# Altium PCB kunpeng_alpha.PcbDoc (part 2 of 2)
Units mm, origin at the board's own origin, x right, y up, seen from the top; angles counter-clockwise.
Board outline 84.46 x 100.59 mm, 2 copper layers (Top Layer, Bottom Layer); 103 components, 68 nets, 354 pads, 153 vias.
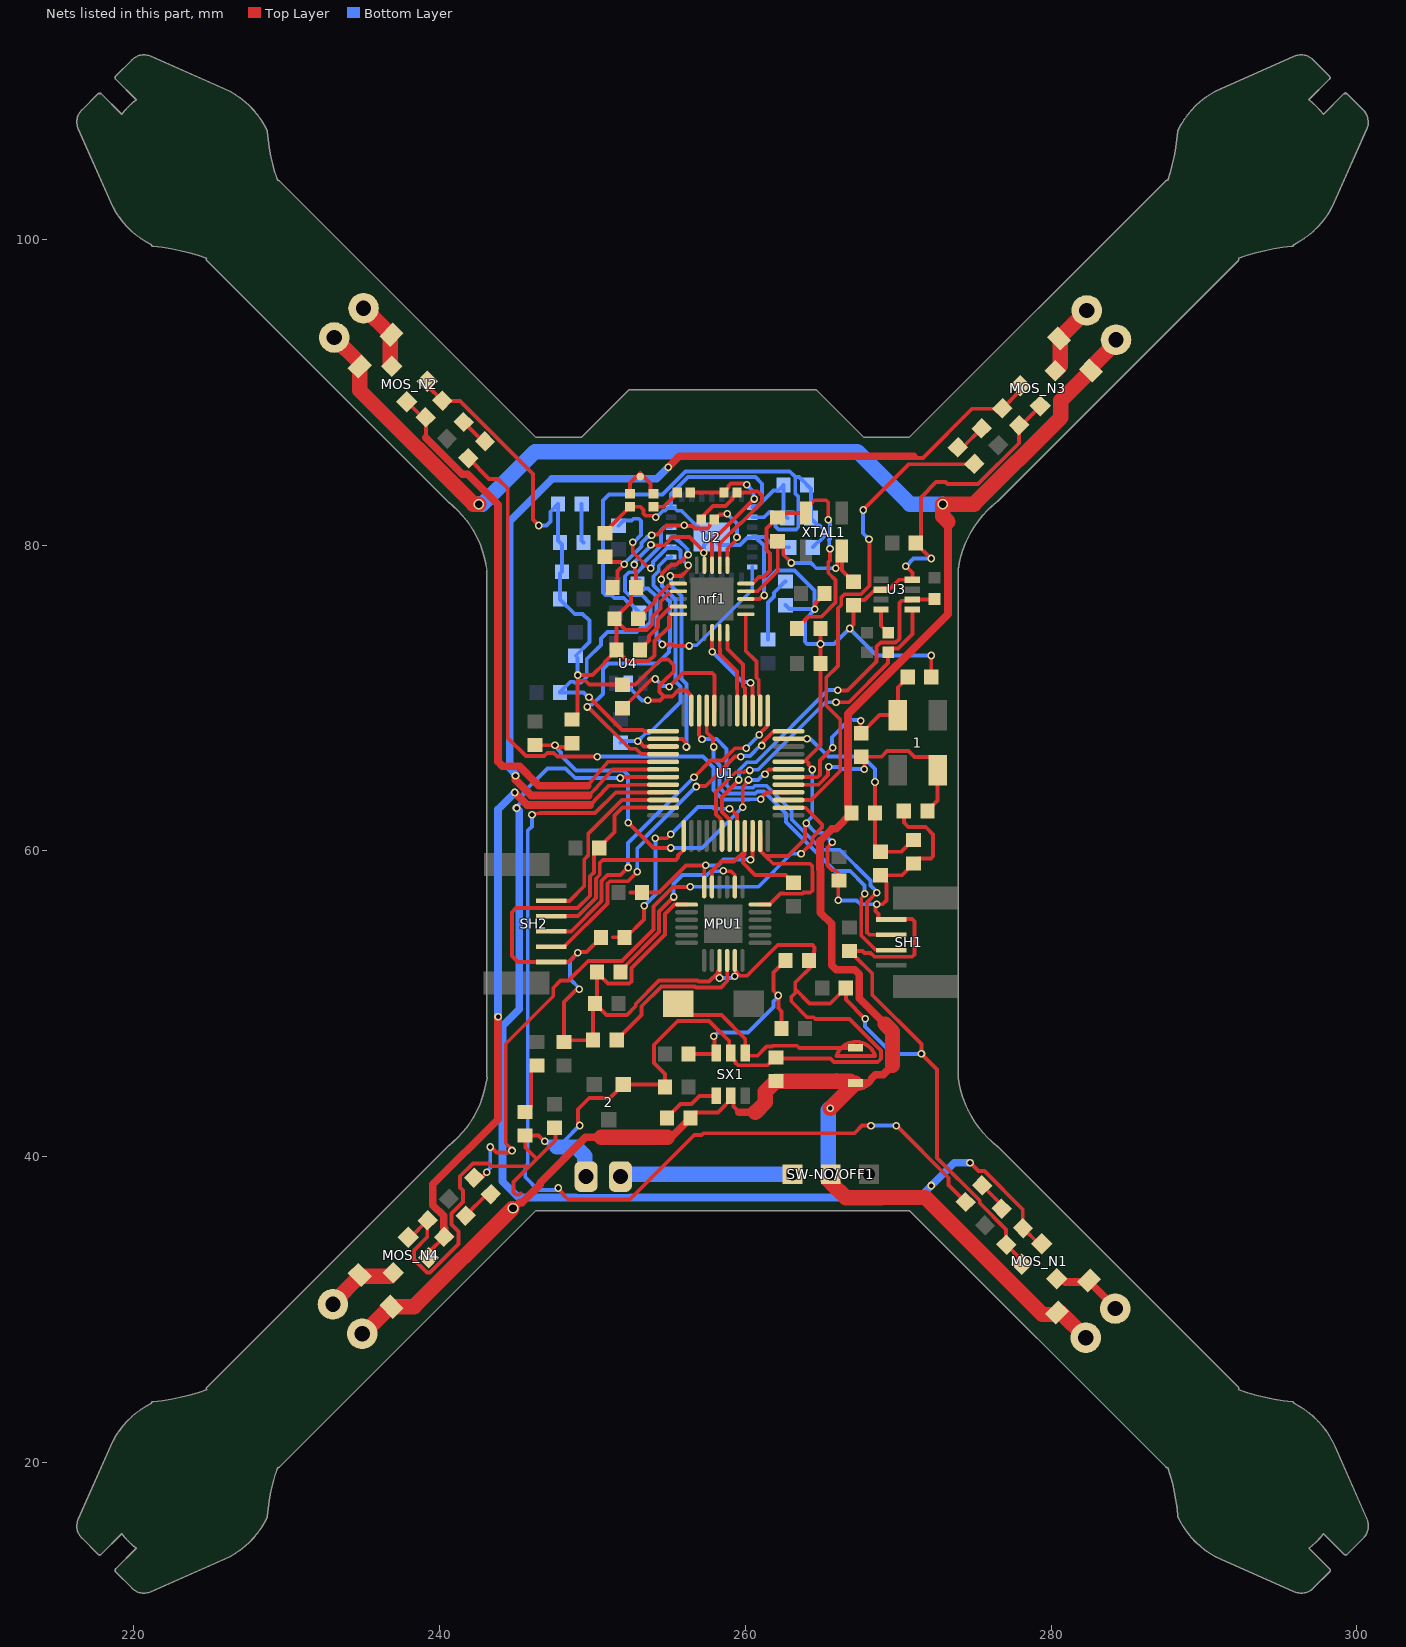
[diagram p2: the nets of this part, all layers, seen from the top]

## Via types
v1: diameter 0.5, hole 0.3, Top Layer to Bottom Layer, 146 vias
v2: diameter 0.66, hole 0.33, Top Layer to Bottom Layer, 4 vias
v3: diameter 0.7, hole 0.5, Top Layer to Bottom Layer, 3 vias

## Nets (pads, with @x,y where several pads share a name; then routed paths per layer and width w, separated by ;. In a path a pad name is that pad's centre, name@x,y a point inside that pad or via, vN(x,y) a via of type N, cw(c..) or ccw(c..) an arc to the next point about the centre after c; other vN are vias at no path point) (continued)
GND: 2.1 BAT1.2 C1.1 C2.1 C3.1 C4.2 C5.2 C6.1 C7.1 C9.1 C10.1 C11.1 C12.1 C13.1 C14.1 C15.1 C16.1 C17.2 C18.1 C19.1 C20.1 C21.1 C23.1 C24.1 C25.1 C26.1 C27.2 C28.2 C29.2 C30.1 C31.1 C32.1 C33.1 C34.1 D10.K LED1.2 MOS_N1.2 MOS_N2.2 MOS_N3.2 MOS_N4.2 MPU1.1 MPU1.9 MPU1.11 MPU1.18 nrf1.8 nrf1.14 nrf1.17 nrf1.20 R1.2 R3.1 R4.1 R5.1 R6.1 R7.1 R9.2 R11.2 R22.1 SH1.4 SH2.6 SX1.2 U1.8 U1.23 U1.35 U1.47 U2.1 U2.4 U2.21 U2.29 U3.1 U3.7 U4.2 | length 393.4
  Top Layer w0.254: MOS_N4.2@237.965,34.728 238.109,34.728 R6.1@239.214,35.833 ; MOS_N2.2@239.198,90.711 239.198,90.44 R3.1@240.193,89.444 240.211,89.427 241.353,89.427 246.126,84.654 246.126,81.661 v1(246.507,81.28) ; R6.1@239.232,35.85 R6.1@239.214,35.833 ; 245.297,37.6 245.215,37.519 245.005,37.519 244.856,37.667 244.856,38.354 246.369,39.867 ; 245.73,39.387 243.409,39.387 243.224,39.572 242.193,39.572 241.352,38.731 241.352,37.994 241.556,37.79 241.556,37.053 240.79,36.287 240.79,35.571 241.248,35.112 241.248,34.289 239.398,32.439 239.189,32.439 238.334,33.294 238.334,33.885 239.214,34.764 R6.1@239.214,35.833 ; v1(246.888,41.021) 246.862,41.021 246.489,41.394 D10.K@245.618,41.394 245.618,40.619 246.369,39.867 ; C24.1@247.777,41.902 247.585,41.71 247.585,41.083 246.369,39.867 ; C16.1@248.666,68.588 248.691,68.588 249.029,68.926 249.029,68.951 249.047,68.969 249.047,71.126 ; v1(249.151,50.956) 249.104,50.908 248.93,50.908 248.158,50.136 248.158,47.625 C23.1@248.158,47.506 248.277,47.625 C17.2@250.055,47.625 250.055,49.911 C20.1@250.182,50.038 ; v1(249.174,42.047) 249.057,42.164 249.057,43.11 249.805,43.859 251.148,43.859 2.1@252.019,44.729 254.602,44.729 C19.1@254.754,44.577 254.754,45.424 254.037,46.141 254.037,47.331 255.591,48.885 256.73,48.885 256.734,48.889 257.637,48.889 258.955,47.571 258.955,46.889 SX1.2@259.055,46.79 259.055,46.54 259.366,46.228 259.366,46.145 259.524,45.987 261.466,45.987 261.631,46.152 261.663,46.152 C18.1@262.001,46.49 262.364,46.426 265.584,46.426 265.806,46.204 265.962,46.204 ccw(c265.963,46.584) 265.965,46.204 268.501,46.204 ccw(c268.503,46.584) 268.505,46.204 268.661,46.204 268.771,46.314 ccw(c268.503,46.584) 268.773,46.316 268.883,46.426 268.883,46.961 266.827,49.016 264.597,49.016 264.484,49.129 264.053,49.129 263.01,50.172 263.01,50.439 263.277,50.706 263.277,50.973 ; C21.1@250.309,52.07 C21.1@250.309,52.045 ; R9.2@250.571,54.356 250.571,54.331 249.627,53.387 249.094,53.387 v1(249.047,53.34) 248.444,52.737 SH2.6@247.312,52.737 245.149,52.737 244.747,53.139 244.747,55.992 245.016,56.261 249.047,56.261 249.858,57.072 249.858,58.343 250.114,58.599 250.114,59.86 C30.1@250.452,60.198 250.452,60.223 251.465,61.236 251.465,62.311 251.986,62.831 U1.35@254.634,62.831 ; C11.1@250.825,80.78 250.85,80.78 251.188,81.118 251.188,81.218 252.278,82.308 252.278,82.333 252.451,82.506 253.155,82.506 253.363,82.298 253.363,82.064 253.512,81.915 v1@253.927,81.915 ; v1(252.742,78.728) 252.789,78.681 252.789,78.324 252.865,78.248 C10.1@252.865,77.216 252.527,76.878 252.527,76.284 251.452,75.209 R1.2@251.452,75.184 251.452,75.159 R1.2@251.579,75.032 ; v1(253.619,69.85) 254.421,69.85 254.681,70.11 ; v1(253.837,80.024) 253.87,79.992 254.72,79.992 255.246,80.518 256.369,80.518 v1@257.179,79.708 ; nrf1.20@255.632,75.479 255.189,75.479 255.016,75.307 255.016,74.653 254.081,73.718 254.081,73.602 254.07,73.592 254.07,72.791 253.689,72.41 252.296,72.41 C4.2@251.579,73.127 ; nrf1.17@255.632,76.979 255.19,76.979 255.067,76.857 255.029,76.857 254.481,76.308 254.481,75.844 253.924,75.288 253.924,74.804 253.562,74.442 252.169,74.442 R1.2@251.579,75.032 ; MPU1.1@256.172,56.495 256.167,56.49 255.372,56.49 254.753,55.871 254.753,54.544 252.566,52.357 252.566,51.475 252.419,51.328 251.026,51.328 C21.1@250.309,52.045 ; U1.23@256.484,69.181 256.484,70.094 256.386,70.191 256.386,70.248 256.15,70.484 255.603,70.484 255.229,70.11 254.681,70.11 ; v1(258.322,51.693) MPU1.9@258.322,52.228 ; MPU1.9@258.322,52.845 MPU1.9@258.322,52.228 ; MPU1.11@259.322,52.845 259.327,52.84 259.327,52.223 259.43,52.12 259.43,52.072 ; 259.512,51.99 259.659,51.843 260.123,51.843 262.128,53.848 264.39,53.848 264.539,53.699 264.539,53.482 264.506,53.449 264.506,53.195 264.422,53.111 264.422,52.553 263.277,51.408 263.277,50.973 ; nrf1.8@260.039,76.479 260.041,76.481 260.946,76.481 261.172,76.708 v1(261.239,76.708) ; MPU1.18@260.972,56.495 261.582,56.495 262.314,57.227 262.525,57.227 262.549,57.203 263.739,57.203 263.813,57.277 264.248,57.277 264.396,57.426 264.396,58.606 264.387,58.616 264.387,59.014 264.238,59.163 261.833,59.163 261.317,59.679 ; U1.47@260.984,60.981 260.993,60.973 260.993,60.004 261.317,59.679 ; U1.8@262.834,65.831 263.839,65.831 264.922,66.914 C7.1@264.922,72.263 v1(264.922,73.533) C13.1@264.922,74.549 ; 263.946,65.929 264.136,65.739 264.136,65.638 264.383,65.391 v1(264.383,65.325) ; v1(263.993,61.809) 263.993,61.742 263.906,61.655 263.906,60.778 262.807,59.679 261.317,59.679 ; v1(264.541,75.813) 264.588,75.86 264.588,76.214 265.184,76.81 C6.1@265.184,76.835 ; v1(265.684,60.579) 265.684,60.512 265.392,60.22 265.392,59.032 265.682,58.741 265.889,58.741 266.179,58.45 266.179,58.041 266.088,57.949 v1(266.088,56.769) ; C1.1@266.581,51.054 C1.1@266.581,51.029 ; C2.1@266.827,53.459 266.852,53.459 267.19,53.121 267.19,53.096 268.306,51.98 268.306,50.591 271.526,47.371 v1(271.526,46.736) 272.542,45.72 272.542,39.931 275.338,37.134 275.338,36.98 277.06,35.258 277.06,34.271 R5.1@277.078,34.254 278.073,33.258 MOS_N1.2@278.073,32.987 ; v1(266.827,74.549) 267.081,74.803 C12.1@267.081,76.065 267.419,76.403 267.796,76.403 268.403,77.01 268.81,77.01 U3.7@268.883,77.083 268.956,77.156 269.475,77.156 270.052,77.733 U3.1@270.933,77.733 270.933,78.19 v1(270.51,78.613) ; C2.1@267.208,53.459 267.67,53.459 267.789,53.34 268.195,53.34 268.449,53.086 270.916,53.086 271.065,53.235 271.065,55.392 270.916,55.541 268.881,55.541 268.858,55.518 268.709,55.667 268.709,55.883 268.533,56.059 268.533,56.377 268.605,56.448 v1(268.605,56.515) 268.986,56.515 269.24,56.769 269.24,57.925 269.222,57.943 269.222,58.074 C9.1@268.884,58.412 ; v1(267.843,49.022) 266.581,50.284 C1.1@266.581,51.029 ; C9.1@268.859,58.412 C9.1@268.884,58.412 ; C14.1@270.375,62.611 270.375,61.857 270.662,61.57 271.805,61.57 272.288,61.087 272.288,59.661 272.139,59.512 271.356,59.512 R7.1@271.018,59.174 270.256,58.412 C9.1@268.884,58.412 ; v1(272.161,79.121) 272.144,79.121 271.153,80.112 C31.1@271.153,80.137 271.491,80.475 271.491,83.121 272.484,84.114 273.108,84.114 273.222,84 275.235,84 277.895,86.66 277.895,87.83 R4.1@277.912,87.848 278.056,87.848 MOS_N3.2@279.306,89.097 ; C15.1@272.169,71.374 v1(272.169,72.779) ; C20.1@250.182,50.038 250.309,50.165 C21.1@250.309,52.045 ; C20.1@250.182,50.038 250.182,50.013 250.919,49.276 252.272,49.276 252.848,49.852 252.848,50.003 254.364,51.519 256.887,51.519 256.943,51.463 257.642,51.463 258.214,52.036 258.214,52.12 MPU1.9@258.322,52.228 ; C4.2@251.579,73.127 C4.2@251.579,73.152 R1.2@251.579,75.032 ; C4.2@251.579,73.127 250.82,72.368 250.82,72.309 250.011,71.501 v1(249.047,71.501) 249.057,71.491 249.057,71.126 249.549,71.126 249.801,70.874 R11.2@251.968,70.874 252.839,70.874 254.476,72.511 254.97,72.511 255.33,72.152 255.33,71.745 254.629,71.044 254.629,71.039 254.387,70.796 254.387,70.404 254.681,70.11 ; 263.277,50.973 264.212,50.038 265.565,50.038 266.218,50.691 266.243,50.691 C1.1@266.581,51.029
  Bottom Layer w0.254: v1(246.507,81.28) 247.015,81.28 247.269,81.534 247.269,82.177 C25.1@247.769,82.677 ; v1(246.888,41.021) v1@246.955,41.021 ; 247.686,40.64 247.336,40.64 v1@246.955,41.021 ; C25.1@247.769,82.702 C25.1@247.769,82.677 ; v1(249.047,53.34) 249.047,53.322 248.539,52.814 248.539,51.634 249.151,51.022 v1(249.151,50.956) ; v1(249.047,71.501) 249.047,72.636 248.92,72.763 249.809,73.652 249.809,75.057 249.372,75.494 248.856,75.494 247.896,76.454 C34.1@247.896,76.479 247.896,78.13 C33.1@248.023,78.257 248.023,80.035 C26.1@247.896,80.162 247.769,80.289 C25.1@247.769,82.677 ; v1(249.174,42.047) 248.148,41.021 v1@246.955,41.021 ; U4.2@252.349,70.963 252.349,70.763 252.715,70.397 252.715,70.39 253.255,69.85 v1(253.619,69.85) ; v1(252.742,78.728) 252.789,78.775 252.789,78.936 253.837,79.984 v1(253.837,80.024) ; v1(254.153,81.827) 254.209,81.827 254.627,82.245 254.762,82.245 254.937,82.42 255.112,82.42 U2.21@255.16,82.468 ; v1(257.302,79.502) 257.302,80.01 U2.29@257.81,80.518 ; v1(258.322,51.693) 259.149,51.693 259.26,51.804 v1(259.327,51.804) ; U2.1@260.46,82.468 260.508,82.516 260.804,82.516 261.098,82.81 ; v1(261.239,76.708) 261.239,77.528 ; C28.2@262.501,83.922 C28.2@262.501,83.897 ; LED1.2@262.636,76.073 262.896,75.813 v1(264.541,75.813) ; C29.2@262.755,81.763 262.501,82.017 C28.2@262.501,83.897 ; C27.2@262.882,79.858 261.92,79.858 261.259,80.518 U2.4@260.635,80.518 ; v1(264.383,65.325) 264.383,62.265 263.913,61.795 264.007,61.795 264.608,61.194 265.069,61.194 v1(265.684,60.579) ; v1(266.088,56.769) 267.272,56.769 267.525,56.515 v1(268.605,56.515) ; v1(267.843,49.022) 267.843,48.514 269.621,46.736 v1(271.526,46.736) ; v1(270.51,78.613) 271.018,79.121 v1(272.161,79.121) ; v1(272.169,72.779) 268.597,72.779 v1(266.827,74.549) 265.811,73.533 v1(264.922,73.533) 264.055,73.533 263.906,73.682 263.906,75.112 264.541,75.747 v1(264.541,75.813) ; U2.21@255.16,82.468 255.208,82.42 255.383,82.42 255.558,82.245 255.833,82.245 257.56,80.518 U2.29@257.81,80.518 ; U2.21@255.16,82.468 255.16,83.35 256.254,84.444 260.666,84.444 261.098,84.012 261.098,82.81 ; U2.29@257.81,80.518 258.312,80.016 259.669,80.016 260.123,80.47 260.412,80.47 U2.4@260.46,80.518 U2.4@260.635,80.518 ; U2.4@260.635,80.518 260.858,80.295 260.915,80.295 261.239,79.971 261.239,77.528 ; 261.098,82.81 261.846,83.559 262.163,83.559 C28.2@262.501,83.897 ; 261.239,77.528 262.041,78.33 263.231,78.33 264.541,77.02 v1(264.541,75.813)
  Bottom Layer w1: 247.686,40.64 248.931,40.64 249.517,40.054 249.517,38.559 BAT1.2@249.595,38.481
IRQ: nrf1.6 U1.14 | length 6.7
  Top Layer w0.254: nrf1.6@260.039,75.479 260.039,73.082 260.731,72.39 260.731,71.322 260.886,71.167 260.886,70.191 260.984,70.094 U1.14@260.984,69.181
LCS: R24.1 U1.25 U2.19 | length 25.8
  Top Layer w0.254: v1(249.788,70.06) 249.793,70.06 250.008,69.844 250.017,69.844 251.944,67.918 253.297,67.918 253.375,67.84 254.625,67.84 U1.25@254.634,67.831
  Bottom Layer w0.254: v1(249.788,70.06) 249.721,70.06 249.423,70.358 R24.1@247.887,70.358 247.887,70.383 248.565,71.062 248.776,71.062 248.839,70.999 249.255,70.999 249.637,71.381 249.637,72.548 250.569,73.479 250.569,73.89 250.994,74.315 252.894,74.315 253.148,74.569 253.41,74.569 253.811,74.97 253.811,76.16 253.243,76.728 252.397,76.728 252.144,76.981 252.144,77.959 252.41,78.226 252.95,78.226 253.317,78.593 253.317,78.794 254.502,79.979 254.502,80.972 254.698,81.168 U2.19@255.16,81.168
LED1: R18.1 U1.4 | length 41
  Top Layer w0.254: R18.1@241.899,85.689 243.259,84.328 243.84,84.328 244.475,83.693 244.475,67.387 245.658,66.204 246.848,66.204 247.059,66.415 247.477,66.415 247.725,66.167 v1(250.317,66.167) ; v1(261.025,63.382) 261.072,63.429 261.072,63.501 261.403,63.831 U1.4@262.834,63.831
  Bottom Layer w0.254: v1(250.317,66.167) 257.232,66.167 257.934,65.465 257.934,63.983 258.549,63.367 260.266,63.367 260.277,63.378 261.021,63.378 v1(261.025,63.382)
LED2: R19.1 U1.3 | length 32.1
  Top Layer w0.254: U1.3@262.834,63.331 264.318,63.331 266.219,65.233 266.219,68.604 265.303,69.52 265.303,71.332 266.065,72.094 266.065,75.867 266.281,76.083 266.281,76.577 266.486,76.782 267.57,76.782 268.131,77.343 268.131,80.357 v1(268.097,80.391) ; v1(267.716,82.296) 270.71,85.29 274.974,85.29 R19.1@274.991,85.308
  Bottom Layer w0.254: v1(267.716,82.296) 267.716,80.772 v1(268.097,80.391)
LED3: R20.1 U1.33 | length 66.9
  Top Layer w0.254: v1(246.06,62.379) 246.117,62.396 246.608,62.484 250.19,62.484 251.537,63.831 U1.33@254.634,63.831 ; v1(247.777,37.963) 247.777,37.897 248.075,37.599 248.075,37.548 248.394,37.229 252.476,37.229 256.67,41.423 257.148,41.423 257.265,41.54 267.143,41.54 267.641,42.039 v1(268.226,42.039) v1@268.228,42.039 ; v1(269.875,42.037) 269.899,42.037 273.304,38.632 273.304,38.154 R20.1@274.411,37.048
  Bottom Layer w0.254: v1(246.06,62.379) 246.06,61.605 245.779,61.323 245.779,39.486 245.618,39.325 245.618,38.672 246.45,37.84 247.587,37.84 247.71,37.963 v1(247.777,37.963) ; v1@268.226,42.038 v1(269.875,42.037)
LED4: R21.1 U1.2 | length 42.3
  Top Layer w0.254: R21.1@242.28,38.644 242.758,38.644 v1(243.099,38.986) v1@243.127,38.958 ; v1(243.332,40.64) 243.399,40.64 243.751,40.288 244.564,40.288 244.687,40.41 v1(244.753,40.41) 244.753,40.477 244.342,40.888 244.342,47.394 247.446,50.498 247.446,51.034 247.932,51.52 248.447,51.52 249.739,52.812 251.948,52.812 253.994,54.858 253.994,56.38 255.267,57.652 256.407,57.652 v1(256.413,57.658) ; U1.2@262.834,62.831 262.843,62.823 263.948,62.823 265.035,61.736 265.035,61.525 264.392,60.881 264.392,60.553 v1(263.654,59.815)
  Bottom Layer w0.254: v1(243.099,38.986) 243.099,39.025 243.332,39.258 v1(243.332,40.64) ; v1(256.413,57.658) 260.858,57.658 263.015,59.815 v1(263.654,59.815)
LMISO: R25.1 U1.27 U2.18 | length 19.8
  Top Layer w0.254: v1(252.984,67.183) 253.051,67.183 253.393,66.84 254.625,66.84 U1.27@254.634,66.831 ; v1(254.508,77.752) 254.556,77.799 254.556,78.144 254.891,78.48 254.916,78.48 255.176,78.74 255.524,78.74 255.676,78.892 255.782,78.892 v1(256.265,79.375)
  Bottom Layer w0.254: R25.1@251.841,67.073 251.951,67.183 v1(252.984,67.183) 253.499,67.698 253.73,67.698 255.772,69.74 255.772,70.765 255.454,71.083 255.454,76.436 254.556,77.335 254.556,77.705 v1(254.508,77.752) ; U2.18@255.16,80.518 255.208,80.47 255.383,80.47 255.558,80.295 255.648,80.295 256.218,79.726 256.218,79.422 v1(256.265,79.375)
LMOSI: U1.28 U2.16 | length 21.3
  Top Layer w0.254: v1(249.682,69.417) 249.734,69.417 252.47,66.681 252.857,66.681 253.206,66.331 U1.28@254.634,66.331
  Bottom Layer w0.254: v1(249.682,69.417) 249.748,69.417 249.888,69.557 249.996,69.557 250.7,70.261 250.7,71.89 251.071,72.261 254.252,72.261 255.012,73.021 255.012,73.228 255.075,73.291 255.075,76.279 254.006,77.348 254.006,77.96 254.345,78.299 254.345,78.635 254.88,79.17 255.112,79.17 U2.16@255.16,79.218
LSCLK: R26.1 U1.26 U2.17 | length 24.8
  Top Layer w0.254: v1(252.658,80.185) 252.65,80.176 252.65,79.53 253.566,78.615 253.622,78.615 253.753,78.484 v1(253.819,78.484) ; U1.26@254.634,67.331 254.643,67.323 255.892,67.323 256.112,67.103 256.112,66.849 v1(256.159,66.802) ; v1(255.099,77.977) 255.833,77.977 256.308,78.452 256.308,78.662 v1(256.286,78.684)
  Bottom Layer w0.254: R26.1@251.714,81.263 252.052,81.601 252.585,81.601 252.708,81.724 253.044,81.724 253.193,81.575 253.193,80.652 252.725,80.185 v1(252.658,80.185) ; v1(253.819,78.484) 253.819,78.551 253.965,78.696 253.965,78.905 254.88,79.82 255.112,79.82 U2.17@255.16,79.868 255.208,79.82 255.587,79.82 255.762,79.645 255.762,79.167 256.245,78.684 v1(256.286,78.684) ; v1(255.099,77.977) 255.146,77.93 255.146,77.356 255.834,76.668 255.834,71.24 256.152,70.922 256.152,68.206 256.159,68.199 v1(256.159,66.802)
MISO: nrf1.5 U1.16 | length 5.6
  Top Layer w0.254: nrf1.5@258.835,74.276 258.835,73.203 259.848,72.19 259.848,70.785 259.984,70.649 U1.16@259.984,69.181
MOSI: nrf1.4 U1.17 | length 5.6
  Top Layer w0.254: nrf1.4@258.335,74.276 258.335,73.246 258.356,73.226 258.356,72.866 259.468,71.753 259.468,70.628 259.484,70.612 U1.17@259.484,69.181
NetAntenna1_1: Antenna1.1 C5.1 C8.2 | length 3.3
  Top Layer w0.254: C5.1@252.476,83.356 252.476,84.049 253.136,84.709 253.808,84.037 253.808,83.529 253.981,83.356 C8.2@254,83.356
NetC4_1: C4.1 nrf1.19 | length 3.7
  Top Layer w0.254: C4.1@253.119,73.152 253.119,73.177 253.702,73.76 253.702,74.045 254.303,74.647 254.303,75.131 255.15,75.977 nrf1.19@255.188,75.977
NetC8_1: C8.1 L1.2 | length 2
  Top Layer w0.254: C8.1@254,82.506 254.655,82.506 255.563,83.414 L1.2@255.563,83.439
NetC10_2: C10.2 C11.2 L3.1 nrf1.11 | length 15.7
  Top Layer w0.254: C11.2@250.825,79.24 251.163,78.902 251.866,78.902 252.028,78.74 v1(252.095,78.74) 251.663,78.308 251.663,77.579 251.325,77.241 C10.2@251.325,77.216 ; v1(253.879,80.648) 253.926,80.695 254.268,80.695 254.866,81.293 v1(256.022,81.293) ; v1@256.055,81.326 256.136,81.246 256.564,81.246 256.726,81.084 257.536,81.084 257.683,81.231 257.683,81.338 257.981,81.636 L3.1@257.981,81.661 257.981,81.686 258.154,81.859 258.226,81.859 258.362,81.995 258.779,81.995 v1(258.826,82.042) ; nrf1.11@258.835,78.683 258.835,79.759 259.461,80.385 v1(259.461,80.518)
  Bottom Layer w0.254: v1(252.095,78.74) 252.095,78.792 253.223,79.919 253.223,80.146 253.572,80.495 253.572,80.537 253.701,80.537 253.812,80.648 v1(253.879,80.648) ; v1(258.826,82.042) 259.461,81.407 v1(259.461,80.518)
NetC12_2: C12.2 nrf1.9 R8.1 XTAL1.3 | length 13.1
  Top Layer w0.254: nrf1.9@260.039,76.979 260.041,76.981 260.802,76.981 262.128,78.307 R8.1@262.128,80.256 262.153,80.256 262.491,79.918 262.491,79.379 263.017,78.853 v1(263.017,78.833) ; v1(265.931,78.486) 265.931,78.572 266.046,78.687 266.046,79.331 XTAL1.3@266.319,79.604 266.319,78.342 267.056,77.605 C12.2@267.081,77.605
  Bottom Layer w0.254: v1(263.017,78.833) 264.3,78.833 264.647,78.486 v1(265.931,78.486)
NetC13_2: C13.2 nrf1.10 R8.2 XTAL1.1 | length 20
  Top Layer w0.254: nrf1.10@260.039,77.479 260.481,77.479 260.91,77.909 261.193,77.909 261.62,78.336 261.62,79.452 261.386,79.686 261.386,81.079 262.103,81.796 R8.2@262.128,81.796 262.425,82.093 XTAL1.1@263.982,82.093 263.982,82.443 264.255,82.716 264.298,82.716 264.513,82.931 265.281,82.931 265.43,82.782 v1(265.43,81.661) ; C13.2@263.382,74.549 263.382,74.574 264.119,75.311 264.972,75.311 265.901,76.24 265.901,77.719 265.428,78.192 265.428,78.883 265.544,78.998 v1(265.544,79.756)
  Bottom Layer w0.254: v1(265.43,81.661) 265.43,81.594 265.55,81.475 265.55,80.407 265.477,80.334 265.497,80.315 265.497,79.803 v1(265.544,79.756)
NetC17_1: C17.1 MPU1.10 | length 10.6
  Top Layer w0.254: C17.1@251.595,47.625 251.595,47.65 253.227,49.282 253.227,49.846 254.521,51.14 256.73,51.14 256.786,51.084 258.423,51.084 258.824,51.485 258.824,52.843 MPU1.10@258.822,52.845
NetC21_2: C21.2 MPU1.20 | length 12.5
  Top Layer w0.254: C21.2@251.849,52.07 252.187,52.408 252.187,52.514 254.374,54.701 254.374,56.049 v1(255.319,56.994) ; v1(258.572,58.706) 258.604,58.674 259.08,58.674 259.317,58.437 259.317,57.65 MPU1.20@259.322,57.645
  Bottom Layer w0.254: v1(255.319,56.994) 255.322,56.997 255.322,57.831 255.909,58.418 257.503,58.418 257.76,58.676 258.542,58.676 v1(258.572,58.706)
NetC22_1: C22.1 R16.1 R22.2 SX1.3 | length 13.6
  Top Layer w0.254: R16.1@256.294,46.736 258.051,46.736 SX1.3@258.105,46.79 257.984,46.91 257.984,47.832 v1(257.937,47.879) ; C22.1@262.374,48.387 262.374,49.511 262.166,49.719 v1(262.166,50.546) 261.849,50.863 261.849,52.053 262.265,52.469 262.29,52.469 262.628,52.807 R22.2@262.628,52.832
  Bottom Layer w0.254: v1(257.937,47.879) 257.955,47.879 258.209,48.133 260.171,48.133 261.839,49.801 261.839,50.153 262.166,50.479 v1(262.166,50.546)
NetC25_2: C25.2 C26.2 | length 2.6
  Bottom Layer w0.254: C25.2@249.309,82.702 249.309,80.289 C26.2@249.436,80.162
NetC27_1: C27.1 C28.1 C29.1 R27.1 U2.2 | length 36
  Bottom Layer w0.254: R27.1@253.094,75.565 253.094,75.59 252.396,76.287 252.301,76.287 252.059,76.529 251.437,76.529 251.238,76.728 250.857,76.728 250.698,76.887 250.698,82.909 251.101,83.312 254.586,83.312 256.097,84.823 262.911,84.823 263.194,84.54 263.271,84.463 ; U2.2@260.46,81.818 261.229,81.818 261.58,82.169 261.79,82.169 261.988,81.972 261.988,81.218 262.185,81.02 263.325,81.02 263.472,81.168 263.472,83.178 263.271,83.379 263.271,84.463 ; C27.1@264.422,79.858 264.422,79.883 264.76,80.221 264.827,80.221 265.17,80.564 265.17,80.98 264.876,81.274 264.758,81.274 264.295,81.738 C29.1@264.295,81.763 264.295,83.668 C28.1@264.041,83.922 264.041,83.947 263.525,84.463 263.271,84.463
NetD1_1: D1.1 M1.2 MOS_N2.3 | length 4.7
  Top Layer w0.5: M1.2@235.044,95.482 M1.2@235.099,95.482 ; D1.1@236.828,93.753 D1.1@236.882,93.753
  Top Layer w1: M1.2@235.099,95.482 D1.1@236.828,93.753 ; D1.1@236.882,93.753 236.794,93.665 236.794,91.786 MOS_N2.3@236.899,91.681
NetD2_1: D2.1 M2.2 MOS_N3.3 | length 4.9
  Top Layer w1: MOS_N3.3@280.276,91.396 280.604,91.725 280.604,93.411 D2.1@280.516,93.499 280.511,93.504 282.343,95.335 M2.2@282.343,95.344
NetD3_1: D3.1 M3.2 MOS_N1.3 | length 4.8
  Top Layer w0.5: MOS_N1.3@280.372,32.017 280.726,32.017 280.927,31.816 282.387,31.816 D3.1@282.475,31.904 282.475,31.85 284.193,30.131 M3.2@284.193,30.077
NetD4_1: D4.1 M4.2 MOS_N4.3 | length 5
  Top Layer w0.5: M4.2@233.045,30.353 M4.2@233.045,30.443 ; D4.1@234.796,32.194 D4.1@234.796,32.285
  Top Layer w1: M4.2@233.045,30.443 D4.1@234.796,32.194 ; D4.1@234.796,32.285 234.884,32.197 236.763,32.197 MOS_N4.3@236.995,32.429
NetD5_1: D5.1 Inductor1.2 SX1.1 | length 13.9
  Top Layer w0.254: D5.1@255.626,50.013 256.369,49.269 258.452,49.269 260.005,47.716 SX1.1@260.005,46.79 260.005,46.782 260.178,46.609 260.808,46.609 261.406,47.207 261.761,47.207 261.818,47.265 263.407,47.265 263.548,47.124 266.284,47.124 Inductor1.2@267.208,47.124
NetD6_K: D6.K R18.2 | length 1.9
  Top Layer w0.254: D6.K@241.59,88.047 242.86,86.777 R18.2@242.987,86.777
NetD7_K: D7.K R19.2 | length 2.1
  Top Layer w0.254: R19.2@273.903,86.396 274.229,86.396 D7.K@275.463,87.63
NetD8_K: D8.K R20.2 | length 2.1
  Top Layer w0.254: R20.2@275.499,38.136 276.769,36.866 D8.K@276.769,36.612
NetD9_K: D9.K R21.2 | length 2.2
  Top Layer w0.254: D9.K@241.717,36.159 243.114,37.556 R21.2@243.368,37.556
NetD10_A: D10.A R17.1 | length 3.2
  Top Layer w0.254: D10.A@245.618,42.934 245.643,42.934 245.999,43.29 R17.1@245.999,45.966
NetL1_1: L1.1 L2.1 nrf1.13 | length 10.7
  Top Layer w0.254: L1.1@256.413,83.439 L2.1@258.611,83.439 258.611,83.464 258.909,83.762 258.909,83.869 259.056,84.016 259.866,84.016 259.893,83.988 260.066,83.988 v1(260.113,83.941) ; nrf1.13@257.835,78.683 257.835,80.269 260.584,83.018 v1(260.595,83.018)
  Bottom Layer w0.254: v1(260.113,83.941) 260.113,83.921 260.548,83.485 260.548,83.065 v1(260.595,83.018)
NetL2_2: L2.2 L3.2 nrf1.12 | length 10.7
  Top Layer w0.254: L3.2@257.131,81.661 257.304,81.834 257.304,81.966 257.888,82.55 258.704,82.55 259.163,83.009 259.163,83.116 259.461,83.414 L2.2@259.461,83.439 260.306,83.439 260.387,83.521 260.804,83.521 261.098,83.226 261.098,82.81 259.744,81.457 259.689,81.457 258.335,80.103 nrf1.12@258.335,78.683
NetLED1_1: LED1.1 R23.2 | length 4.3
  Bottom Layer w0.254: R23.2@261.493,73.82 261.493,76.252 261.883,76.641 261.883,76.885 262.611,77.613 LED1.1@262.636,77.613
Netnrf1_16: nrf1.16 R1.1 | length 3.7
  Top Layer w0.254: R1.1@252.992,75.184 252.992,75.209 254.101,76.318 254.101,76.465 254.995,77.359 255.069,77.359 255.19,77.479 nrf1.16@255.632,77.479
NetR9_1: R9.1 U1.44 | length 16
  Top Layer w0.254: 251.341,54.356 R9.1@252.111,54.356 252.222,54.356 253.389,55.523 v1(253.389,56.412) ; v1(254.127,60.833) 254.889,60.833 v1(255.143,61.087) ; v1(258.976,62.761) 259.043,62.761 259.4,62.403 259.475,62.403 259.475,60.99 U1.44@259.484,60.981
  Bottom Layer w0.254: v1(253.389,56.412) 254.127,57.15 v1(254.127,60.833) ; v1(255.143,61.087) 256.921,62.865 257.863,62.865 257.967,62.761 v1(258.976,62.761)
NetR11_1: R11.1 U1.20 | length 9.8
  Top Layer w0.254: R11.1@251.968,69.334 251.993,69.334 253.859,71.2 254.08,71.2 v1(254.127,71.247) ; v1(255.026,70.731) 255.923,71.628 257.835,71.628 257.984,71.479 U1.20@257.984,69.181
  Bottom Layer w0.254: v1(254.127,71.247) 254.596,70.778 254.979,70.778 v1(255.026,70.731)
NetR15_2: R15.2 SX1.4 | length 3.8
  Top Layer w0.254: R15.2@254.881,42.545 254.881,42.57 255.76,43.449 256.478,43.449 257.019,43.99 SX1.4@258.105,43.99
NetR28_1: R28.1 U2.7 | length 14
  Top Layer w0.254: v1(254.573,73.499) 255.238,73.499 255.331,73.406 v1(256.336,73.406)
  Bottom Layer w0.254: R28.1@253.094,77.724 253.094,77.379 253.305,77.168 253.65,77.168 254.19,76.627 254.19,73.948 254.573,73.565 v1(254.573,73.499) ; v1(256.336,73.406) 256.383,73.453 256.833,73.453 260.46,77.08 U2.7@260.46,78.568
NetR31_2: R31.2 U3.5 | length 1.7
  Top Layer w0.254: U3.5@268.883,75.783 268.883,74.724 R31.2@269.349,74.259
OSC_IN: 1.3 C14.2 R10.2 U1.5 | length 15.5
  Top Layer w0.254: U1.5@262.834,64.331 264.782,64.331 265.425,64.974 265.425,65.47 v1(265.472,65.517) ; v1(267.792,65.354) 267.792,65.956 R10.2@267.589,66.159 268.91,66.159 269.282,66.531 270.691,66.531 271.07,66.151 272.113,66.151 272.586,65.678 1.3@272.586,65.278 272.586,63.307 271.915,62.636 C14.2@271.915,62.611
  Bottom Layer w0.254: v1(265.472,65.517) 265.507,65.481 266.103,65.481 266.23,65.354 v1(267.792,65.354)
OSC_OUT: 1.1 C15.2 R10.1 U1.6 | length 13.8
  Top Layer w0.254: U1.6@262.834,64.831 264.166,64.831 264.174,64.823 264.736,64.823 264.885,64.971 264.885,65.927 v1(265.717,66.759) ; v1(267.551,68.52) 267.551,67.762 267.614,67.699 268.793,68.878 1.1@269.986,68.878 269.986,70.706 270.629,71.349 C15.2@270.629,71.374
  Bottom Layer w0.254: v1(265.717,66.759) 265.684,66.792 265.684,67.437 266.7,68.453 266.704,68.453 266.831,68.58 267.085,68.58 267.097,68.568 267.504,68.568 v1(267.551,68.52)
PWM1: MOS_N2.1 R3.2 U1.29 | length 38.6
  Top Layer w0.254: MOS_N2.1@237.868,89.382 238.959,88.292 239.041,88.292 R3.2@239.105,88.229 ; R3.2@239.105,88.356 239.122,88.338 239.122,87.014 ; 249.693,64.262 251.039,65.831 U1.29@254.634,65.831
  Top Layer w0.5: 239.122,87.014 241.498,84.638 241.852,84.638 243.84,82.65 243.84,65.825 244.133,65.532 245.242,65.532 246.366,64.408 246.512,64.262 249.693,64.262
PWM2: MOS_N3.1 R4.2 U1.30 | length 65.2
  Top Layer w0.254: 249.771,63.63 250.195,64.054 250.201,64.06 251.18,65.183 251.328,65.331 U1.30@254.634,65.331 ; 271.018,85.81 271.141,85.687 271.615,85.687 274.847,88.919 276.806,88.919 R4.2@276.824,88.936 277.977,90.09 MOS_N3.1@277.977,90.427
  Top Layer w0.5: v1(244.983,64.907) 244.983,64.85 244.983,64.643 245.996,63.63 249.771,63.63 ; v1(254.978,85.09) 255.698,85.81 271.018,85.81
  Bottom Layer w0.5: v1(244.983,64.907) 244.983,65.024 244.602,65.405 244.602,81.558 247.372,84.328 254.216,84.328 v1(254.978,85.09)
PWM3: MOS_N1.1 R5.2 U1.31 | length 75.8
  Top Layer w0.254: v1(251.841,64.77) 251.902,64.831 U1.31@254.634,64.831 ; v1(274.701,39.624) 275.261,39.064 275.636,39.064 278.149,36.551 278.149,35.36 R5.2@278.166,35.342 279.193,34.316 MOS_N1.1@279.403,34.316
  Bottom Layer w0.254: v1(245.051,62.806) 245.051,62.873 245.371,63.192 245.371,63.558 245.503,63.69 245.503,63.841 247.061,65.399 248.262,65.399 248.891,64.77 v1(251.841,64.77)
  Bottom Layer w0.5: v1(245.051,62.806) 245.237,62.62 245.237,49.662 244.128,48.552 244.128,38.399 245.189,37.338 248.905,37.338 248.909,37.334 252.527,37.334 252.531,37.338 271.389,37.338 v1(272.171,38.121) 273.675,39.624 v1(274.701,39.624)
PWM4: MOS_N4.1 R6.2 U1.32 | length 44
  Top Layer w0.254: MOS_N4.1@239.294,33.398 239.294,33.735 R6.2@240.32,34.762 ; 249.877,63.004 250.936,64.119 251.085,64.268 252.367,64.268 252.43,64.331 U1.32@254.634,64.331
  Top Layer w0.5: R6.2@240.32,34.762 240.338,34.779 240.338,35.312 240.282,35.368 240.282,36.139 239.578,36.844 239.578,38.204 243.84,42.467 v1(243.84,49.149) ; v1(244.922,63.82) 245.737,63.004 249.877,63.004
  Bottom Layer w0.5: v1(243.84,49.149) 243.84,62.738 v1(244.922,63.82)
RST: C16.2 R14.1 U1.7 | length 25.5
  Top Layer w0.254: R14.1@246.253,66.921 246.264,66.91 v1(247.565,66.91) ; v1@247.565,66.795 248.413,66.795 C16.2@248.666,67.048 ; v1(252.349,61.849) 254,60.198 v1(255.143,60.198) ; v1(259.842,62.865) 259.842,64.187 260.09,64.435 260.09,64.449 260.217,64.576 v1(260.217,64.643) ; v1(261.296,65.024) 261.296,65.081 261.538,65.323 262.825,65.323 U1.7@262.834,65.331
  Bottom Layer w0.254: v1(247.565,66.91) 247.565,66.844 247.962,66.446 247.962,66.236 248.926,65.272 252.049,65.272 252.349,64.972 v1(252.349,61.849) ; v1(255.143,60.198) 257.175,60.198 v1(259.842,62.865) ; v1(260.217,64.643) 260.848,64.643 261.229,65.024 v1(261.296,65.024)
SCK: nrf1.3 U1.15 | length 6.5
  Top Layer w0.254: nrf1.3@257.835,74.276 257.837,74.274 257.837,73.033 v1(257.853,73.018) ; v1(260.35,70.993) 260.35,70.926 260.484,70.793 U1.15@260.484,69.181
  Bottom Layer w0.254: v1(257.853,73.018) 259.831,71.04 260.303,71.04 v1(260.35,70.993)
SCL: MPU1.23 R13.1 U1.45 | length 9.4
  Top Layer w0.254: MPU1.23@257.822,57.645 257.822,58.686 258.436,59.3 259.272,59.3 U1.45@259.975,60.004 ; U1.45@259.984,60.981 259.975,60.973 U1.45@259.975,60.004 ; R13.1@263.144,57.92 262.636,58.428 260.648,58.428 259.848,59.228 259.848,59.644 259.975,59.771 U1.45@259.975,60.004
SCLBMP: R30.2 U1.42 U3.4 | length 22.2
  Top Layer w0.254: U1.42@258.484,60.981 258.484,61.894 258.386,61.991 258.386,62.104 258.094,62.396 258.094,63.86 259.38,65.145 259.94,65.145 260.013,65.218 260.245,65.218 v1(260.292,65.265) ; v1(265.938,69.723) 266.777,69.723 269.349,72.295 R30.2@269.349,72.989 269.603,73.243 269.988,73.243 270.933,74.188 U3.4@270.933,75.783
  Bottom Layer w0.254: v1(260.292,65.265) 260.339,65.312 260.829,65.312 265.241,69.723 v1(265.938,69.723)
SDA: MPU1.24 R12.1 U1.46 | length 11.6
  Top Layer w0.254: 252.484,57.277 R12.1@253.254,57.277 254.355,57.277 256.133,59.055 v1(257.429,59.055) ; MPU1.24@257.322,57.645 v1@257.322,58.881 ; v1(260.35,59.436) 260.35,59.503 260.475,59.628 260.475,60.973 U1.46@260.484,60.981
  Bottom Layer w0.254: v1(257.429,59.055) 258.211,59.055 258.592,59.436 v1(260.35,59.436)
SDABMP: R29.2 U1.43 U3.3 | length 24.5
  Top Layer w0.254: U1.43@258.984,60.981 258.975,60.99 258.975,62.051 258.474,62.553 258.474,63.529 v1(259.588,64.643) ; v1(266.051,70.517) 266.083,70.485 266.7,70.485 268.598,72.383 268.598,73.357 268.863,73.622 269.831,73.622 270.081,73.872 270.081,76.211 270.23,76.36 270.86,76.36 U3.3@270.933,76.433 272.466,76.433 R29.2@272.506,76.472
  Bottom Layer w0.254: v1(259.588,64.643) 259.591,64.646 259.591,65.274 260.118,65.801 260.695,65.801 265.411,70.517 v1(266.051,70.517)
SWCLK: SH2.3 U1.37 | length 12.7
  Top Layer w0.254: SH2.3@247.312,55.737 249.06,55.737 250.238,56.915 250.238,58.186 250.493,58.441 250.493,59.211 250.7,59.418 255.467,59.418 255.616,59.567 255.616,59.701 255.984,60.069 U1.37@255.984,60.981
SWDIO: SH2.2 U1.34 | length 11.9
  Top Layer w0.254: SH2.2@247.312,56.737 248.507,56.737 249.479,57.709 249.479,59.453 249.735,59.709 249.735,61.117 251.949,63.331 U1.34@254.634,63.331
USART2_RX: SH2.4 U1.13 | length 22.5
  Top Layer w0.254: SH2.4@247.312,54.737 248.626,54.737 250.617,56.728 250.617,58.029 251.008,58.42 251.853,58.42 v1(252.349,58.916) ; v1(256.656,64.82) 257.739,65.904 258.529,65.904 259.339,66.714 v1(260.071,66.714) ; v1(260.916,67.594) 260.916,67.645 261.386,68.115 261.386,68.171 261.484,68.269 U1.13@261.484,69.181
  Bottom Layer w0.254: v1(252.349,58.916) 252.349,60.514 v1(256.656,64.82) ; v1(260.071,66.714) 260.071,66.731 260.916,67.577 v1(260.916,67.594)
USART2_TX: SH2.5 U1.12 | length 23.2
  Top Layer w0.254: SH2.5@247.312,53.737 248.162,53.737 250.997,56.571 250.997,57.872 251.144,58.019 252.329,58.019 v1(252.94,58.63) ; v1(256.794,64.21) 256.841,64.258 257.419,64.258 259.328,66.167 v1(259.715,66.167) ; v1(261.076,66.893) 261.076,66.959 261.193,67.076 261.193,67.16 261.482,67.448 261.767,67.734 261.824,67.734 261.921,67.831 U1.12@262.834,67.831
  Bottom Layer w0.254: v1(252.94,58.63) 252.94,60.154 253.453,60.667 253.453,60.869 v1(256.794,64.21) ; v1(259.715,66.167) 259.76,66.212 260.304,66.212 260.985,66.893 v1(261.076,66.893)
USART3_RX: SH1.3 U1.22 | length 24.6
  Top Layer w0.254: U1.22@256.984,69.181 256.984,67.568 257.175,67.377 v1(257.175,67.31) ; v1(268.605,57.277) 267.97,56.642 267.97,54.667 268.119,54.518 SH1.3@269.562,54.518 SH1.3@270.07,54.518
  Bottom Layer w0.254: v1(257.175,67.31) 258.139,67.31 258.788,66.662 258.788,64.3 258.951,64.137 260.502,64.137 260.629,64.264 261.391,64.264 263.046,62.608 263.046,62.046 265.015,60.077 266.186,60.077 268.199,58.064 268.199,57.75 268.605,57.344 v1(268.605,57.277)
USART3_TX: SH1.2 U1.21 | length 24.2
  Top Layer w0.254: U1.21@257.484,69.181 257.484,67.75 257.89,67.344 257.89,66.849 v1(257.937,66.802) ; v1(267.828,57.21) 267.828,57.144 267.591,56.907 267.591,54.481 268.531,53.541 SH1.2@270.07,53.541
  Bottom Layer w0.254: v1(257.937,66.802) 257.937,65.999 258.313,65.622 258.313,64.14 258.696,63.757 260.659,63.757 260.786,63.884 261.233,63.884 262.667,62.451 262.667,61.888 265.875,58.68 266.872,58.68 267.804,57.749 267.804,57.234 v1(267.828,57.21)
VBAT: C18.2 D1.2 D2.2 D3.2 D4.2 Inductor1.1 M1.1 M2.1 M3.1 M4.1 R2.2 R15.1 SW-NO/OFF1.2 SX1.5 | length 179.5
  Top Layer w0.254: D1.2@234.796,91.667 D1.2@234.796,91.907 ; R15.1@256.421,42.52 R15.1@256.421,42.545 256.421,42.57 256.759,42.908 258.23,42.908 258.689,43.367 258.689,43.374 SX1.5@259.055,43.74 ; SX1.5@259.055,43.99 SX1.5@259.055,43.74 ; 259.588,42.926 259.228,43.286 259.228,43.567 SX1.5@259.055,43.74 ; C18.2@261.975,44.924 C18.2@262.001,44.95 ; 266.182,45.146 266.297,45.166 ; Inductor1.1@266.834,44.732 266.835,44.732 Inductor1.1@267.025,44.641 ; Inductor1.1@267.061,44.624 267.208,44.425 ; D3.2@280.389,29.818 D3.2@280.629,29.818
  Top Layer w0.5: M4.1@234.951,28.436 M4.1@235.035,28.436 ; D4.2@236.798,30.199 D4.2@236.882,30.199 ; v3(244.82,36.631) 244.875,36.631 245.26,37.016 245.423,37.016 246.598,38.191 246.598,38.313 249.56,41.275 250.585,41.275 ; 254.922,41.275 255.176,41.275 R15.1@256.421,42.52 ; 259.588,42.926 260.648,42.926 260.662,42.913 ; Inductor1.1@267.135,44.751 267.135,44.824 Inductor1.1@267.208,44.824 ; 268.285,45.146 268.503,45.364 269.011,45.364 269.635,45.988 ; 269.154,48.679 267.462,50.371 267.462,51.945 267.169,52.238 265.959,52.238 265.666,52.53 265.666,55.228 264.922,55.972 264.922,58.791 264.889,58.824 264.889,60.379 264.894,60.384 264.894,60.673 265.679,61.459 265.946,61.459 266.946,62.459 R2.2@266.946,62.484 266.731,62.699 266.731,63.01 266.724,63.017 266.724,68.954 273.264,75.494 273.264,81.534
  Top Layer w1: M1.1@233.127,93.576 D1.2@234.796,91.907 ; D1.2@234.796,91.667 234.708,91.579 234.796,91.49 234.796,90.102 242.221,82.677 v3(242.575,82.677) ; M4.1@235.035,28.436 D4.2@236.798,30.199 ; D4.2@236.882,30.199 236.97,30.111 237.059,30.199 238.352,30.199 v3@244.753,36.6 ; 250.585,41.275 254.922,41.275 ; 260.662,42.913 261.318,43.569 261.318,44.267 C18.2@261.975,44.924 ; C18.2@262.001,44.95 265.946,44.95 265.962,44.934 266.158,44.934 ; SW-NO/OFF1.2@265.43,38.481 265.597,38.481 265.62,38.458 265.62,38.291 266.578,37.333 268.879,37.333 268.884,37.338 271.78,37.338 279.43,29.688 280.259,29.688 280.301,29.73 D3.2@280.389,29.818 ; v1@265.564,43.18 Inductor1.1@267.208,44.824 ; 266.175,44.95 266.501,44.949 Inductor1.1@266.865,44.947 ; 269.154,48.679 269.635,48.198 269.635,45.988 ; 273.264,81.534 272.923,81.875 v3(272.923,82.677) 274.976,82.677 280.639,88.34 280.639,89.45 D2.2@282.602,91.413 282.514,91.501 284.249,93.237 M2.1@284.249,93.427 ; D3.2@280.629,29.818 M3.1@282.276,28.171
  Bottom Layer w1: v3(242.575,82.677) 242.824,82.677 246.253,86.106 267.335,86.106 270.764,82.677 v3(272.923,82.677) ; SW-NO/OFF1.2@265.43,38.481 265.43,43.053 v1(265.557,43.18)
VBAT_ADC: C9.2 R2.1 R7.2 U1.11 | length 14.5
  Top Layer w0.254: U1.11@262.834,67.331 v1(264.04,67.331) ; v1(268.486,64.508) R2.1@268.486,62.484 268.486,60.3 268.834,59.952 C9.2@268.859,59.952 270.231,59.952 270.993,60.714 R7.2@271.018,60.714
  Bottom Layer w0.254: v1(264.04,67.331) 264.087,67.284 264.313,67.284 265.43,66.167 267.69,66.167 268.486,65.371 v1(268.486,64.508)
VBAT_IN: BAT1.1 SW-NO/OFF1.1 | length 11.3
  Bottom Layer w1: BAT1.1@251.841,38.71 251.993,38.862 SW-NO/OFF1.1@263.097,38.862
pads on no net: 1.2 1.4 MPU1.2 MPU1.3 MPU1.4 MPU1.5 MPU1.6 MPU1.7 MPU1.12 MPU1.14 MPU1.15 MPU1.16 MPU1.17 MPU1.19 MPU1.21 MPU1.22 MPU1.25 nrf1.18 nrf1.21 SH1.8 SH2.8 SW-NO/OFF1.3 SX1.6 U1.10 U1.38 U1.39 U1.40 U1.41 U2.5 U2.6 U2.8 U2.9 U2.10 U2.11 U2.12 U2.13 U2.14 U2.15 U2.20 U2.22 U2.23 U2.24 U2.25 U2.26 U2.27 U2.28 U3.8@270.945,78.473 U4.4 XTAL1.2 XTAL1.4
copper on no net:
  other v2: 257.235,75.879 258.435,75.879 257.235,77.079 258.435,77.079

## Polygon pours and split planes (outlines as drawn)
GND on Top Layer "GND_L01_P000" (solid, remove dead copper, pour order 0): 197.358,123.698 193.294,119.634 193.294,0 350.266,0 350.393,0.127 336.423,14.097 336.423,121.158 195.453,121.158 193.802,119.507
GND on Bottom Layer "GND_L02_P001" (solid, remove dead copper, pour order 1): 172.085,134.239 171.704,133.858 171.704,0 389.89,0 361.569,28.321 361.569,138.811 174.752,138.811 171.45,135.509

## Silkscreen, mask and mechanical layers (free items; w line width, h text height)
Top Overlay:
  lines w0.254: 230.48,28.619 cw(c230.179,25.731) 233.069,25.443 ; 230.479,94.906 ccw(c230.179,97.794) 233.068,98.082 ; 231.598,27.352 232.563,27.352 232.563,28.318 ; 231.597,96.172 232.563,96.172 232.563,95.207 ; 283.971,98.083 ccw(c286.86,97.795) 286.559,94.907 ; 283.983,25.443 cw(c286.873,25.731) 286.572,28.619 ; 284.476,95.208 284.476,96.173 285.441,96.173 ; 284.489,28.318 284.489,27.352 285.454,27.352
  text "Kunpeng alpha" at 249.555,85.09 h1.52
Bottom Overlay:
  drawing of 1247 lines, arcs and shapes, not listed
  text "Design by" at 245.11,61.087 h1.52
  text "wanshan.pang" at 254.762,59.055 h1.52
Mechanical 1:
  circle w0.013: c293.381,104.697 r3.5
  circle w0.013: c223.658,18.828 r3.5
  circle w0.013: c293.394,18.828 r3.5
  circle w0.013: c223.658,104.696 r3.5
  lines w0.013: 227.547,23.849 ccw(c228.113,23.283) 228.678,22.718 231.507,25.546 ccw(c230.941,26.112) 230.375,26.677 227.547,23.849 ; 227.547,99.676 cw(c228.112,100.242) 228.678,100.807 231.507,97.979 cw(c230.941,97.413) 230.375,96.847 227.547,99.676 ; 285.532,97.98 ccw(c286.098,97.414) 286.664,96.848 289.492,99.677 ccw(c288.926,100.243) 288.361,100.808 285.532,97.98 ; 285.545,25.546 cw(c286.111,26.112) 286.677,26.677 289.505,23.849 cw(c288.939,23.283) 288.374,22.718 285.545,25.546
  lines w0.254: 219.245,15.546 ccw(c223.658,18.828) 220.376,14.415 218.92,12.959 219.991,11.889 ccw(c220.698,12.596) 221.103,11.682 225.885,13.8 ccw(c223.658,18.828) 228.627,16.472 cw(c241.82,15.429) 229.324,19.785 ; 219.245,15.546 217.789,14.091 216.718,15.161 cw(c217.425,15.869) 216.511,16.274 218.629,21.056 cw(c223.658,18.828) 221.301,23.798 ; 221.294,99.657 cw(c219.975,85.489) 224.942,98.823 ; 221.294,23.868 ccw(c219.976,38.035) 224.942,24.702 ; 221.301,99.727 cw(c223.658,104.696) 218.629,102.469 216.511,107.251 cw(c217.425,107.656) 216.718,108.363 217.789,109.434 219.244,107.978 cw(c223.658,104.696) 220.376,109.11 218.92,110.565 219.991,111.636 cw(c220.698,110.929) 221.103,111.843 225.885,109.725 cw(c223.658,104.696) 228.627,107.053 ccw(c241.819,108.095) 229.323,103.74 ; 224.891,24.839 240.617,40.565 ccw(c236.347,46.055) 243.245,45.165 ; 224.891,98.686 240.617,82.96 cw(c236.347,77.47) 243.245,78.36 243.245,45.213 ; 229.454,19.802 246.245,36.593 270.807,36.593 287.598,19.802 ; 229.453,103.723 246.245,86.932 249.365,86.932 252.476,90.043 264.576,90.043 267.687,86.932 270.807,86.932 ; 270.794,86.933 287.586,103.724 ; 273.794,78.361 cw(c280.692,77.471) 276.422,82.961 292.148,98.687 ; 273.807,45.165 ccw(c280.705,46.055) 276.435,40.565 292.161,24.839 ; 273.807,45.213 273.807,78.36 ; 287.715,103.741 ccw(c275.22,108.096) 288.412,107.054 cw(c293.381,104.697) 291.154,109.726 295.936,111.844 cw(c296.341,110.93) 297.048,111.637 298.119,110.566 296.663,109.111 cw(c293.381,104.697) 297.795,107.979 299.25,109.435 300.321,108.364 cw(c299.614,107.657) 300.528,107.252 298.41,102.47 cw(c293.381,104.697) 295.738,99.728 ; 287.728,19.785 cw(c275.232,15.429) 288.425,16.472 ccw(c293.394,18.828) 291.167,13.8 295.949,11.682 ccw(c296.354,12.596) 297.061,11.889 298.132,12.959 296.676,14.415 ccw(c293.394,18.828) 297.807,15.546 299.263,14.091 300.334,15.161 ccw(c299.627,15.869) 300.541,16.274 298.423,21.056 ccw(c293.394,18.828) 295.751,23.798 ; 292.097,98.824 cw(c297.064,85.49) 295.745,99.657 ; 292.11,24.702 ccw(c297.076,38.035) 295.758,23.868